# Altium PCB ROS-Robot-Controller.PcbDoc (part 1 of 2)
Units mil, origin at the board's own origin, x right, y up, seen from the top; angles counter-clockwise.
Board outline 1972.2 x 2280.91 mil, 2 copper layers (Top Layer, Bottom Layer); 104 components, 97 nets, 467 pads, 326 vias.
Unrouted connection lines stored in the file: 20.
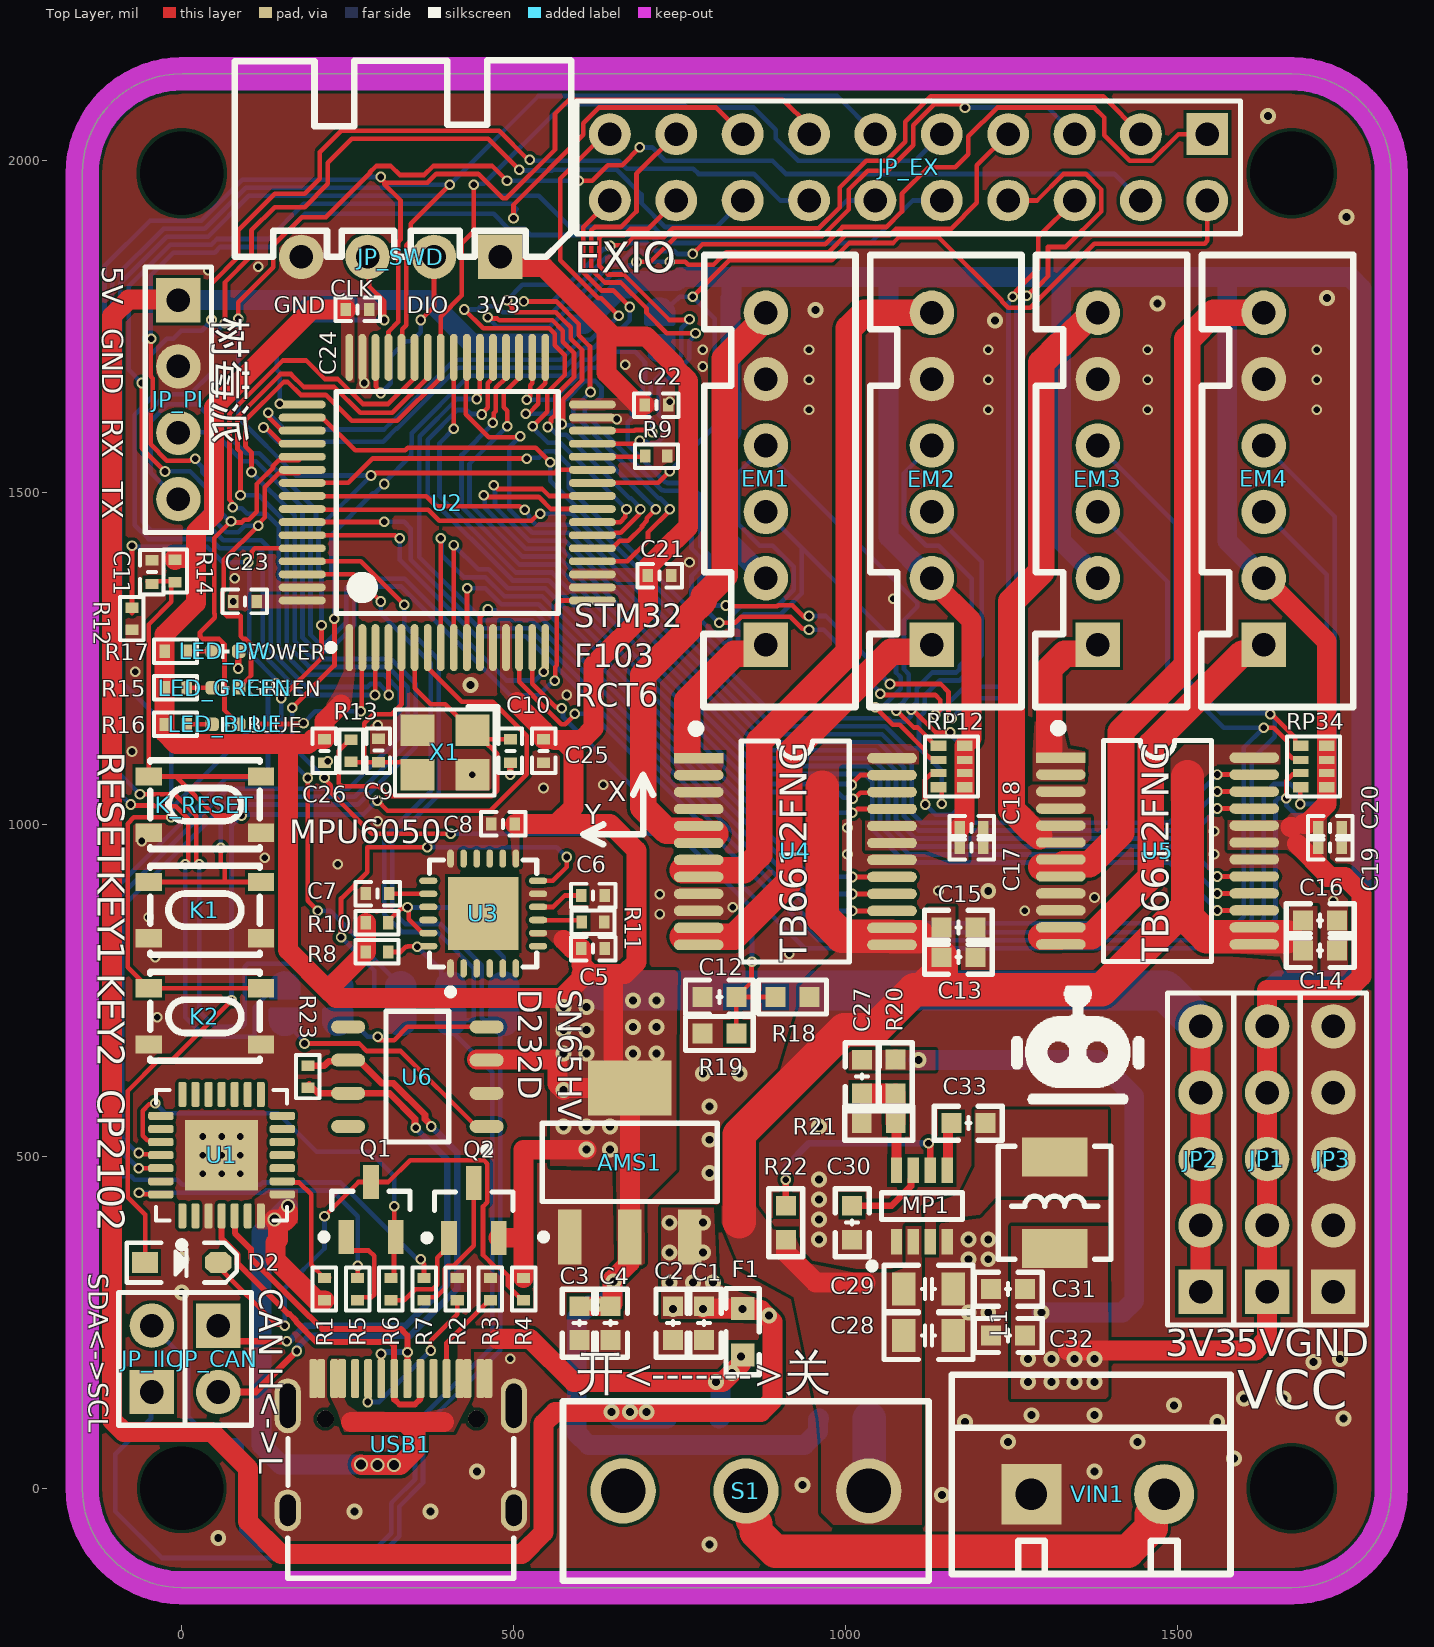
[diagram p0: Top Layer view]
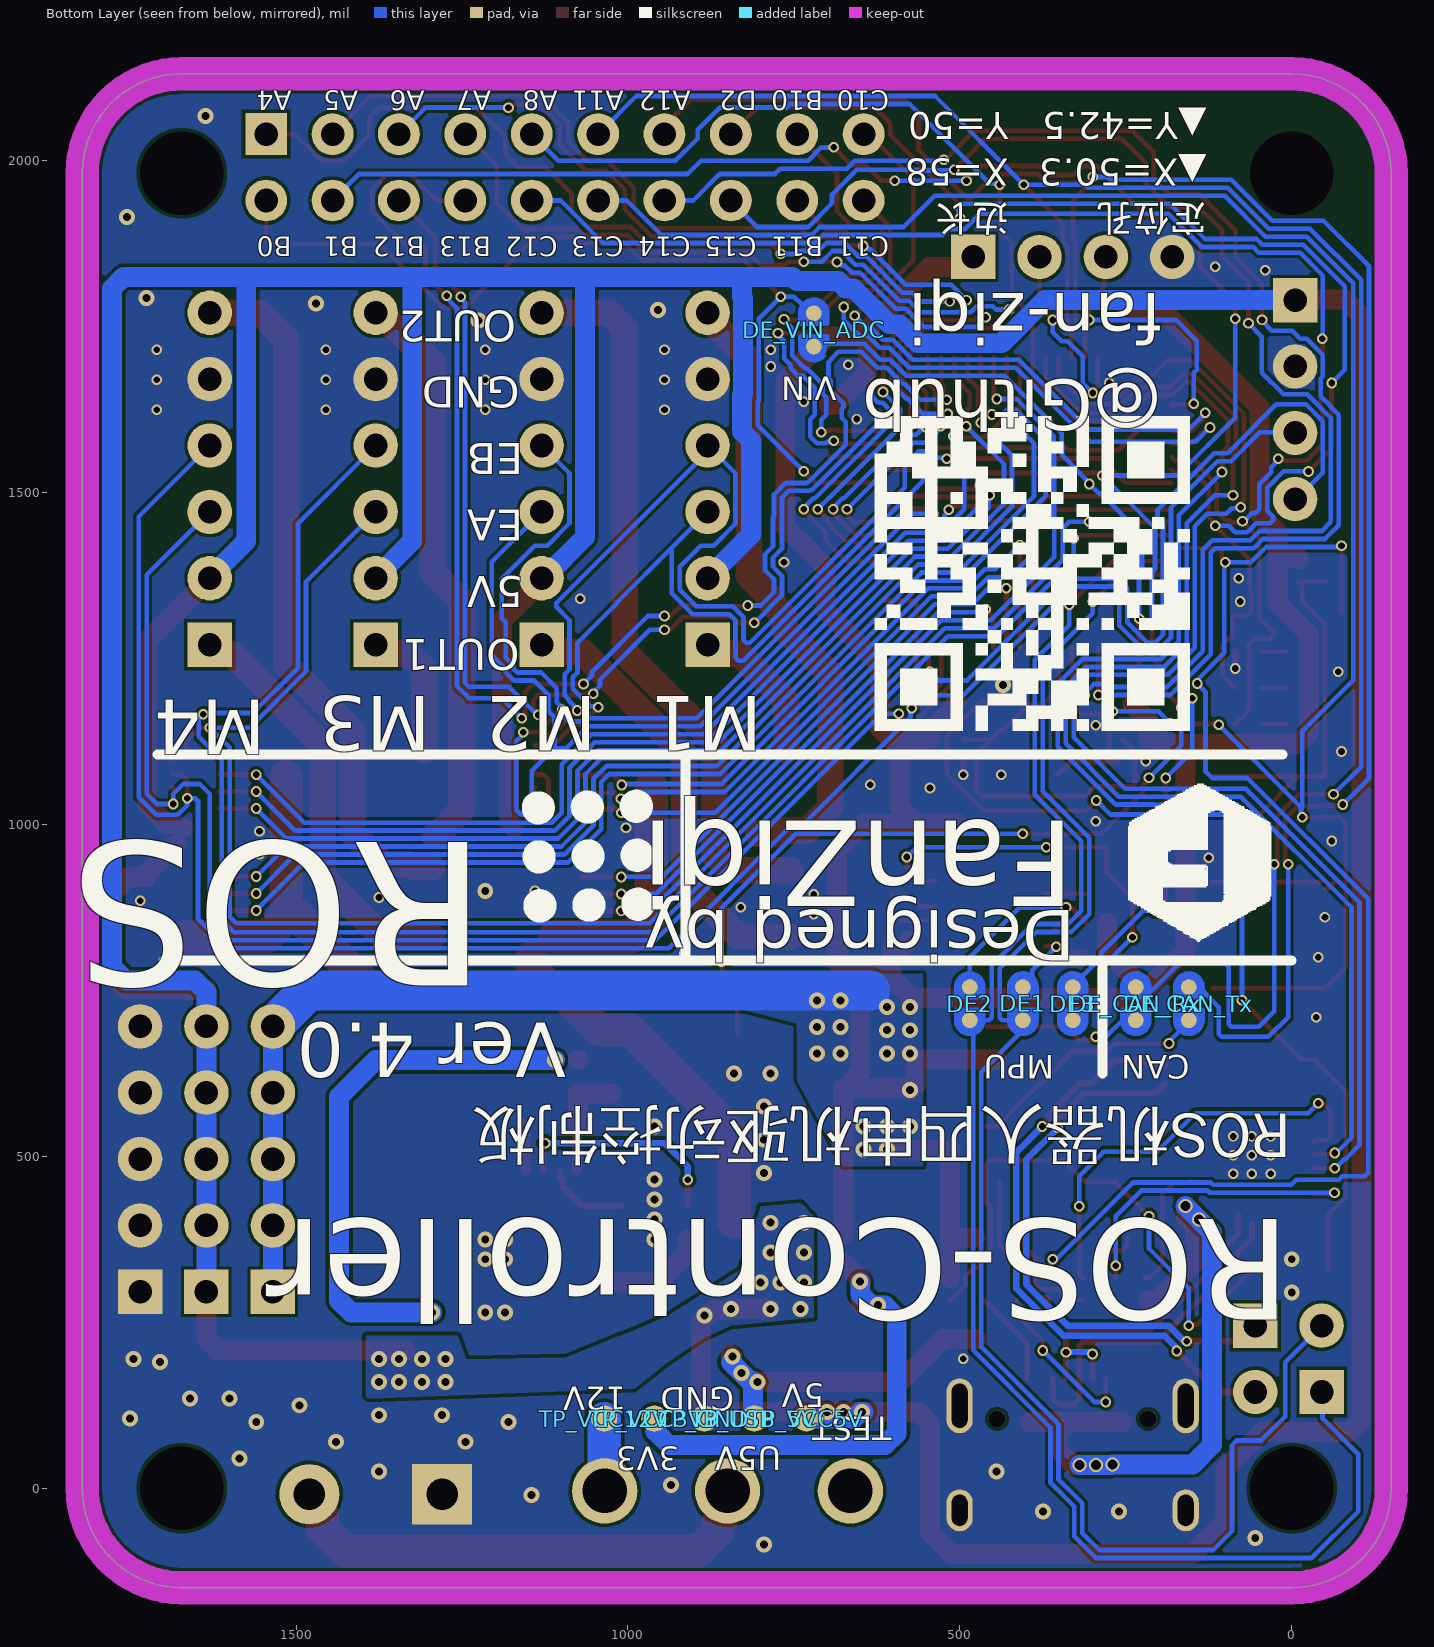
[diagram p1: Bottom Layer view, seen from below]

## Layer stack, top to bottom
Top Solder: solder mask 0.4, Solder Resist, Dk 3.5
Top Layer: signal copper 1.4
Dielectric 1: dielectric 12.6, FR-4, Dk 4.8
Bottom Layer: signal copper 1.4
Bottom Solder: solder mask 0.4, Solder Resist, Dk 3.5

## Board outline
-150,0 ccw(c0,0) 0,-150 1672.2,-150 ccw(c1672.2,0) 1822.2,0 1822.2,1980.91 ccw(c1672.2,1980.91) 1672.2,2130.91 0,2130.91 ccw(c0,1980.91) -150,1980.91

## Design rules (kind name [scope] priority, off if disabled: settings)
Clearance [All] p1: gap=5 ignorepadtopadclearanceinfootprint=FALSE except(0: Arc-Text Track-Text SMDPad-Text THPad-Text Via-Text Fill-Text Poly-Text Region-Text Text-Text Text-Hole)
ComponentClearance [All] p1: gap=0 collisioncheckmode=3 verticalgap=0 showdistances=FALSE
DiffPairsRouting [InDifferentialPair ('CP2102')] p1: maxlimit=10 minlimit=5 mostfreqgap=7 toplayer_minwidth=4 toplayer_maxwidth=9 toplayer_prefwidth=4 bottomlayer_minwidth=4 bottomlayer_maxwidth=9 bottomlayer_prefwidth=4 maxuncoupledlength=500
FanoutControl Fanout_BGA [All] p1: bgadir=Out bgaviamode=Centered fanoutstyle=Auto fanoutdirection=Alternating viagrid=1 // Fanout_BGA (Default Rule)
HoleSize [All] p1: absolutevalues=TRUE maxlimit=235 minlimit=8 maxpercent=80.000 minpercent=20.000
MatchedLengths DiffPair_MatchedLengths [InDifferentialPair ('CP2102')] p1: tolerance=1000 checknetsindiffpair=FALSE checkdiffpairvsdiffpair=TRUE checkxsignals=TRUE checkothers=TRUE
MatchedLengths DiffPair_MatchedLengths_1 [InDifferentialPair ('USB')] p2: tolerance=1000 checknetsindiffpair=FALSE checkdiffpairvsdiffpair=TRUE checkxsignals=TRUE checkothers=TRUE
MinimumSolderMaskSliver [All] p1 off: minsoldermaskwidth=2
NetsToIgnore [InNet('GND')] p1:
PlaneClearance [All] p1: clearance=8
PlaneConnect [All] p1: planeconnectstyle=Direct reliefexpansion=20 reliefentries=4 reliefconductorwidth=10 reliefairgap=10
PolygonConnect [All] p1: connectstyle=Direct reliefconductorwidth=10 reliefentries=4 polygonreliefangle="90 Angle" airgapwidth=10
RoutingVias [All] p1: holewidth=10 width=16 viastyle="Through Hole" minholewidth=6 minwidth=12 maxholewidth=28 maxwidth=50
SMDNeckDown [All] p1: percent=10000.000
SilkToSilkClearance [All] p1: silktosilkclearance=0
SilkToSolderMaskClearance [IsPad] p1: minsilkscreentomaskgap=0 clearancetoexposedcopper=TRUE
SolderMaskExpansion [All] p1: expansion=3 istentingtop=FALSE
Width [InNetClass('BuXian')] p1: maxlimit=10 minlimit=7 preferedwidth=7
Width MOTOR [InNetClass('MOTOR')] p2: maxlimit=40 minlimit=40 preferedwidth=40
Width VCC12V [InNetClass('VCC12V')] p3: maxlimit=50 minlimit=10 preferedwidth=50
Width VCC3V3 [InNetClass('VCC3V3')] p4: maxlimit=60 minlimit=30 preferedwidth=30
Width VCC5V [InNetClass('VCC5V')] p5: maxlimit=60 minlimit=30 preferedwidth=30
Width GND [InNet('GND')] p6: maxlimit=60 minlimit=10 preferedwidth=60
21 further rules are at their usual default settings.

## Classes and differential pairs
net class MOTOR: M1OUT1 M1OUT2 M2OUT1 M2OUT2 M3OUT1 M3OUT2 M4OUT1 M4OUT2
net class VCC5V: USB_5V VCC5V
net class VCC3V3: VCC3V3
net class VCC12V: NetS1_2 VCC12V
net class BuXian: BOOT0 BOOT1 CAN_H CAN_L CAN_Rx CAN_Tx CP2102_D+ CP2102_D- DTR KEY1 KEY2 LED_BLUE LED_GREEN M1EA M1EB M1IN1 M1IN2 M1PWM M2EA M2EB M2IN1 M2IN2 M2PWM M3EA M3EB M3IN1 M3IN2 M3PWM M4EA M4EB M4IN1 M4IN2 M4PWM MPU6050_INT MPU6050_SCL MPU6050_SDA NetC6_2 NetC7_1 NetD2_2 NetLED_BLUE_1 NetLED_GREEN_1 NetLED_PW_1 NetQ1_1 NetQ2_1 NetQ2_3 NetR1_1 NetR2_2 NetR3_2 NetR11_2 OSCIN OSCOUT PA4 PA5 PA6 PA7 PA11 PA12 PB0 PB1 PB10 PB11 PB12 PB13 PC10 PC11 PC14 PC15 RESET RTS SCL SDA SWCLK SWDIO USART1_RX_DEBUG USART1_TX_DEBUG USART2_RX_PI USART2_TX_PI VIN_ADC
differential pair CAN: +CAN_H -CAN_L
differential pair CP2102: +CP2102_D+ -CP2102_D-

## Components (designator, comment, footprint, x,y, rotation, side; value= is the part's Value field where it differs from the comment)
AMS1 "AMS1117-3V3" SOT223_L 675,490.91 r90 top
C1 "22uf" C0603_L 787,248.62 r90 top
C2 "0.1uf" C0603_L 740,248.62 r90 top
C3 "0.1uf" C0603_L 599,248.62 r90 top
C4 "22uf" C0603_L 646,248.62 r90 top
C5 "0.1uf" C0402_L 619.64,812.95 r180 top
C6 "0.1uf" C0402_L 619.64,892.95 r180 top
C7 "2.2nf" C0402_L 295,895.91 r180 top
C8 "0.1uf" C0402_L 484.09,1000.91 r180 top
C9 "20pf" C0402_L 296.34,1111.18 r90 top
C10 "20pf" C0402_L 495,1110.91 r270 top
C11 "0.1uf" C0402_L -45,1380 r270 top
C12 "0.1uf" C0603_L 810,740 r0 top
C13 "0.1uf" C0603_L 1170,800 r180 top
C14 "0.1uf" C0603_L 1715,810 r180 top
C15 "10uf" C0603_L 1170,845 r180 top
C16 "10uf" C0603_L 1715,855 r180 top
C17 "0.1uf" C0402_L 1190,965 r0 top
C18 "10uf" C0402_L 1190,995 r180 top
C19 "0.1uf" C0402_L 1730,965 r0 top
C20 "10uf" C0402_L 1730,995 r180 top
C21 "0.1uf" C0402_L 720,1375 r180 top
C22 "0.1uf" C0402_L 715,1631.81 r180 top
C23 "0.1uf" C0402_L 95,1335.91 r0 top
C24 "0.1uf" C0402_L 265,1775.91 r180 top
C25 "0.1uf" C0402_L 545,1110.91 r90 top
C26 "0.1uf" C0402_L 215,1110.91 r90 top
C27 "33pf" C0603_L 1025,620 r90 top
C28 "22uf" C0805_L 1125,230 r180 top
C29 "0.1uf" C0805_L 1125,300 r180 top
C30 "0.1uf" C0603_L 1010,400 r90 top
C31 "22uf" C0603_L 1245,300 r0 top
C32 "22uf" C0603_L 1245,230 r0 top
C33 "0.1uf" C0603_L 1185,550 r180 top
D2 "1N4148" SOD-323 -0.12,340 r0 top
DE1 "DEBUG PAD" DEBUG_B#1 405,730 r270 bottom
DE2 "DEBUG PAD" DEBUG_B#2 485,730 r270 bottom
DE3 "DEBUG PAD" DEBUG_B#3 330,730 r90 bottom
DE_CAN_Rx "DEBUG PAD" DEBUG_B#4 235,730 r90 bottom
DE_CAN_Tx "DEBUG PAD" DEBUG_B#5 155,730 r90 bottom
DE_VIN_ADC "DEBUG PAD" DEBUG_B#6 720,1745 r90 bottom
EM1 "HDR-1X6" XH2.54-LI-6P 880,1520.91 r90 top
EM2 "HDR-1X6" XH2.54-LI-6P 1130,1520.91 r90 top
EM3 "HDR-1X6" XH2.54-LI-6P 1380,1520.91 r90 top
EM4 "HDR-1X6" XH2.54-LI-6P 1630,1520.91 r90 top
F1 "MSMD200-8V 2A" "FU 0603" 845,235.91 r90 top
JP1 "HDR-1X5" HDR2.54-LI-5P 1635,495.91 r90 top
JP2 "HDR-1X5" HDR2.54-LI-5P 1535,495.91 r90 top
JP3 "HDR-1X5" HDR2.54-LI-5P 1735,495.91 r90 top
JP_CAN "HDR-1X2" HDR2.54-LI-2P 55,195 r270 top
JP_EX "Header 2X10" HDR2.54-LI-2x10P 1095,1990 r180 top
JP_IIC "HDR-1X2" HDR2.54-LI-2P -45,195 r90 top
JP_PI "HDR-1X4" HDR2.54-LI-4P -5,1640 r270 top
JP_SWD "HDR-1X4" XH2.54-WI-4P 330,1855 r180 top
K1 "TACT 4P" SW-SMD_4P-L4.2-W3.3-P2.15-LS5.1 35,870.91 r0 top value=3.4x3.5
K2 "TACT 4P" SW-SMD_4P-L4.2-W3.3-P2.15-LS5.1 35,710.91 r0 top value=3.4x3.5
K_RESET "TACT 4P" SW-SMD_4P-L4.2-W3.3-P2.15-LS5.1 35,1030 r0 top value=3.4x3.5
L1 "4.7uH" L-SMD-0420 1315,430 r90 top
LED_BLUE "红色" LED_0402_RED 65.83,1150.91 r0 top
LED_GREEN "红色" LED_0402_RED 65.83,1205.91 r0 top
LED_PW "红色" LED_0402_RED 65.83,1260.91 r0 top
MP1 "MP2315GJ" SOT23-8N 1115,425 r90 top
Q1 "SS8050" SOT23-3N 285,420 r90 top
Q2 "SS8550" SOT23-3N 440,418.66 r90 top
R1 "4.7K" R0402_L 215,300 r270 top
R2 "5.1K" R0402_L 415,300 r270 top
R3 "5.1K" R0402_L 465,300 r270 top
R4 "10K" R0402_L 515,300 r270 top
R5 "1K" R0402_L 265,300 r270 top
R6 "1K" R0402_L 315,300 r270 top
R7 "1K" R0402_L 365,300 r90 top
R8 "4.7K" R0402_L 294.02,807.95 r180 top
R9 "10K" R0402_L 715,1555 r0 top
R10 "4.7K" R0402_L 294.02,851.93 r180 top
R11 "10K" R0402_L 619.64,852.95 r180 top
R12 "10K" R0402_L -75,1310 r270 top
R13 "1M" R0402_L 255,1110.91 r270 top
R14 "10K" R0402_L -10,1381.73 r90 top
R15 "1K" R0402_L -9.17,1205.91 r180 top
R16 "1K" R0402_L -9.17,1150.91 r180 top
R17 "1K" R0402_L -9.17,1260.91 r180 top
R18 "10K" R0603_L 920,740 r0 top
R19 "1K" R0603_L 810,685 r0 top
R20 "40.2K" R0603_L 1075,620 r270 top
R21 "5.49K" R0603_L 1050,550 r180 top
R22 "100K" R0603_L 910,400 r270 top
R23 "120R" R0402_L 190,620 r90 top
RP12 "4.7K" RCA-8P4R-0402 1159.69,1087.4 r270 top
RP34 "4.7K" RCA-8P4R-0402 1705.31,1087.4 r270 top
S1 "SS-12F23" SS-12D10 849.96,-4.09 r0 top
TP_GND "TEST" "TEST 1" 885,105 r270 bottom
TP_USB_5V "TEST" "TEST 1" 809.63,105 r270 bottom
TP_VCC3V3 "TEST" "TEST 1" 960.37,105 r270 bottom
TP_VCC5V "TEST" "TEST 1" 731.11,105 r270 bottom
TP_VCC12V "TEST" "TEST 1" 1035.74,105 r270 bottom
U1 "CP2102" QFN-28 60,501.81 r90 top value=Value
U2 "STM32F103RCT6" LQFP64_N 400,1485 r90 top
U3 "MPU6050" QFN-24 454.1,865.9 r90 top
U4 "TB6612FNG" SSOP24_M 924.33,959.29 r0 top
U5 "TB6612FNG" SSOP24_M 1470,960 r0 top
U6 "SN65HVD232D" SO-8 355,620 r180 top
USB1 "Type-C" Type-C-TOP 330,65.91 r270 top
VIN1 "HDR-1X2" KF301-5.0-2P 1480,-9.09 r0 top
X1 "8M" "OSC 3225-4P" 396.34,1108.46 r180 top

## Footprints (in the part's own frame and the unit in brackets; to place one, negate y for a bottom-side part, rotate by r counter-clockwise, add the part's x,y. Pads: shape width x height; smd on the part's side, far side on the other; paste and mask are expansions set on the pad)
C0402_L [mm] "无极性贴片电容"
  rect 0.4x0.5 smd: 1(-0.45,0) 2(0.45,0)
  silkscreen extent -0.85,-0.45 0.85,0.45, body extent -0.5,-0.26 0.5,0.26, height 0.54
C0603_L [mil] "无极性贴片电容"
  rect 30x30 smd: 1(-25.59,0) 2(25.59,0)
  silkscreen extent -51,-26 51,26, body extent -31,-16 32,16, height 33
C0805_L [mil] "无极性贴片电容"
  rect 35x50 smd: 1(-37.4,0) 2(37.4,0)
  silkscreen extent -67,-36 67,36, body extent -39,-24 39,24, height 22
DEBUG_B#1 [mm] "调试断点焊盘"
  round 0.6 smd paste-0.6: 1(-0.635,0) 2(0.635,0)
  Top Layer region: 0.254,-0.508 0.762,-0.508 0.908,-0.479 1.031,-0.396 1.114,-0.273 1.143,-0.127 1.143,-0.127 1.143,0 1.104,0.194 0.994,0.359 0.829,0.469 0.635,0.508 0.635,0.508 0.254,0.508
  Top Layer region: -0.254,0.508 -0.762,0.508 -0.908,0.479 -1.031,0.396 -1.114,0.273 -1.143,0.127 -1.143,0.127 -1.143,0 -1.104,-0.194 -0.994,-0.359 -0.829,-0.469 -0.635,-0.508 -0.635,-0.508 -0.254,-0.508
  Top Layer lines w0.203: 0.635,0.508 cw(c0.635,0) 0.994,-0.359 cw(c0.635,0) 0.635,-0.508 0.254,-0.508 0.254,0 0.254,0.508 0.635,0.508 ; -0.254,0.508 -0.635,0.508 ccw(c-0.635,0) -0.994,0.359 ccw(c-0.635,0) -0.635,-0.508 -0.254,-0.508 -0.254,0.508
DEBUG_B#2 [mm] "调试断点焊盘"
  round 0.6 smd paste-0.6: 1(-0.635,0) 2(0.635,0)
  Top Layer region: 0.254,-0.508 0.762,-0.508 0.908,-0.479 1.031,-0.396 1.114,-0.273 1.143,-0.127 1.143,-0.127 1.143,0 1.104,0.194 0.994,0.359 0.829,0.469 0.635,0.508 0.635,0.508 0.254,0.508
  Top Layer region: -0.254,0.508 -0.762,0.508 -0.908,0.479 -1.031,0.396 -1.114,0.273 -1.143,0.127 -1.143,0.127 -1.143,0 -1.104,-0.194 -0.994,-0.359 -0.829,-0.469 -0.635,-0.508 -0.635,-0.508 -0.254,-0.508
  Top Layer lines w0.203: 0.635,0.508 cw(c0.635,0) 1.131,-0.108 cw(c0.635,0) 0.635,-0.508 0.254,-0.508 0.254,0 0.254,0.508 0.635,0.508 ; -0.254,0.508 -0.635,0.508 ccw(c-0.635,0) -0.635,-0.508 -0.254,-0.508 -0.254,0.508
DEBUG_B#3 [mm] "调试断点焊盘"
  round 0.6 smd paste-0.6: 1(-0.635,0) 2(0.635,0)
  Top Layer region: 0.254,-0.508 0.762,-0.508 0.908,-0.479 1.031,-0.396 1.114,-0.273 1.143,-0.127 1.143,-0.127 1.143,0 1.104,0.194 0.994,0.359 0.829,0.469 0.635,0.508 0.635,0.508 0.254,0.508
  Top Layer region: -0.254,0.508 -0.762,0.508 -0.908,0.479 -1.031,0.396 -1.114,0.273 -1.143,0.127 -1.143,0.127 -1.143,0 -1.104,-0.194 -0.994,-0.359 -0.829,-0.469 -0.635,-0.508 -0.635,-0.508 -0.254,-0.508
  Top Layer lines w0.203: -0.635,-0.508 cw(c-0.635,0) -0.635,0.508 -0.254,0.508 -0.254,0 -0.254,-0.449 -0.254,-0.508 -0.635,-0.508 ; 0.254,-0.508 0.635,-0.508 ccw(c0.635,0) 1.018,-0.333 ccw(c0.635,0) 0.635,0.508 0.254,0.508 0.254,0 0.254,-0.508
DEBUG_B#4 [mm] "调试断点焊盘"
  round 0.6 smd paste-0.6: 1(-0.635,0) 2(0.635,0)
  Top Layer region: 0.254,-0.508 0.762,-0.508 0.908,-0.479 1.031,-0.396 1.114,-0.273 1.143,-0.127 1.143,-0.127 1.143,0 1.104,0.194 0.994,0.359 0.829,0.469 0.635,0.508 0.635,0.508 0.254,0.508
  Top Layer region: -0.254,0.508 -0.762,0.508 -0.908,0.479 -1.031,0.396 -1.114,0.273 -1.143,0.127 -1.143,0.127 -1.143,0 -1.104,-0.194 -0.994,-0.359 -0.829,-0.469 -0.635,-0.508 -0.635,-0.508 -0.254,-0.508
  Top Layer lines w0.203: -0.635,-0.508 cw(c-0.635,0) -0.994,0.359 cw(c-0.635,0) -0.635,0.508 -0.254,0.508 -0.254,-0.508 -0.635,-0.508 ; 0.254,-0.508 0.254,0 0.254,0.508 0.618,0.508 0.635,0.508 cw(c0.635,0) 0.994,-0.359 cw(c0.635,0) 0.635,-0.508 0.508,-0.508 0.254,-0.508
DEBUG_B#5 [mm] "调试断点焊盘"
  round 0.6 smd paste-0.6: 1(-0.635,0) 2(0.635,0)
  Top Layer region: 0.254,-0.508 0.762,-0.508 0.908,-0.479 1.031,-0.396 1.114,-0.273 1.143,-0.127 1.143,-0.127 1.143,0 1.104,0.194 0.994,0.359 0.829,0.469 0.635,0.508 0.635,0.508 0.254,0.508
  Top Layer region: -0.254,0.508 -0.762,0.508 -0.908,0.479 -1.031,0.396 -1.114,0.273 -1.143,0.127 -1.143,0.127 -1.143,0 -1.104,-0.194 -0.994,-0.359 -0.829,-0.469 -0.635,-0.508 -0.635,-0.508 -0.254,-0.508
  Top Layer lines w0.203: -0.635,-0.508 cw(c-0.635,0) -1.025,0.325 cw(c-0.635,0) -0.635,0.508 -0.254,0.508 -0.254,0 -0.254,-0.508 -0.635,-0.508 ; 0.254,-0.508 0.254,0 0.254,0.508 0.635,0.508 cw(c0.635,0) 0.994,0.359 cw(c0.635,0) 0.964,-0.387 cw(c0.635,0) 0.635,-0.508 0.508,-0.508 0.254,-0.508
DEBUG_B#6 [mm] "调试断点焊盘"
  round 0.6 smd paste-0.6: 1(-0.635,0) 2(0.635,0)
  Top Layer region: 0.254,-0.508 0.762,-0.508 0.908,-0.479 1.031,-0.396 1.114,-0.273 1.143,-0.127 1.143,-0.127 1.143,0 1.104,0.194 0.994,0.359 0.829,0.469 0.635,0.508 0.635,0.508 0.254,0.508
  Top Layer region: -0.254,0.508 -0.762,0.508 -0.908,0.479 -1.031,0.396 -1.114,0.273 -1.143,0.127 -1.143,0.127 -1.143,0 -1.104,-0.194 -0.994,-0.359 -0.829,-0.469 -0.635,-0.508 -0.635,-0.508 -0.254,-0.508
  Top Layer lines w0.203: -0.381,-0.508 -0.254,-0.508 -0.254,0 -0.254,0.508 -0.635,0.508 ccw(c-0.635,0) -0.994,-0.359 -0.681,-0.23 ; 0.254,-0.508 0.254,0 0.254,0.508 0.635,0.508 cw(c0.635,0) 0.994,0.359 cw(c0.635,0) 0.635,-0.508 0.254,-0.508
"FU 0603" [mil] "贴片保险丝"
  rect 35x35 smd: 1(-35,0) 2(35,0)
  silkscreen extent -65,-25 65,25, body extent -31,-16 32,16, height 20
HDR2.54-LI-2P [mm] "排针，2脚 封装库来自淘宝卖家 ID：黄晶宝石"
  rect 1.7x1.7 hole 0.9: 1(-1.27,0)
  round 1.7 hole 0.9: 2(1.27,0)
  silkscreen extent -2.54,-1.27 2.54,1.27, body extent -2.54,-1.27 2.54,1.27, height 2.54
HDR2.54-LI-2x10P [mm] "双排排针，10x2脚"
  rect 1.6x1.6 hole 0.9: 1(-11.43,-1.27)
  round 1.6 hole 0.9: 2(-11.43,1.27) 3(-8.89,-1.27) 4(-8.89,1.27) 5(-6.35,-1.27) 6(-6.35,1.27) 7(-3.81,-1.27) 8(-3.81,1.27) 9(-1.27,-1.27) 10(-1.27,1.27) 11(1.27,-1.27) 12(1.27,1.27) 13(3.81,-1.27) 14(3.81,1.27) 15(6.35,-1.27) 16(6.35,1.27) 17(8.89,-1.27) 18(8.89,1.27) 19(11.43,-1.27) 20(11.43,1.27)
  silkscreen extent -12.7,-2.54 12.7,2.54, body extent -12.7,-2.54 12.7,2.54, height 8.5
HDR2.54-LI-4P [mm] "排针，4脚"
  rect 1.7x1.7 hole 0.9: 1(-3.81,0)
  round 1.7 hole 0.9: 2(-1.27,0) 3(1.27,0) 4(3.81,0)
  silkscreen extent -5.08,-1.27 5.08,1.27, body extent -5.08,-1.27 5.08,1.27, height 2.54
HDR2.54-LI-5P [mm] "排针，5脚"
  rect 1.7x1.7 hole 0.9: 1(-5.08,0)
  round 1.7 hole 0.9: 2(-2.54,0) 3(0,0) 4(2.54,0) 5(5.08,0)
  silkscreen extent -6.35,-1.27 6.35,1.27, body extent -6.35,-1.27 6.35,1.27, height 2.54
KF301-5.0-2P [mm] "可拼接端子/6A"
  rect 2.3x2.3 hole 1.2: 1(-5.08,0)
  round 2.3 hole 1.2: 2(0,0)
  silkscreen extent -8.13,-3.05 2.54,4.57, body extent -7.95,-3 2.55,4.6, height 3.29
L-SMD-0420 [mm] "一体化成型电感"
  rect 1.5x2.5 smd: 1(-1.75,0) 2(1.75,0)
  silkscreen extent -2.16,-2.16 2.16,2.16, body extent -2.25,-2.05 2.25,2.05, height 2.05
LED_0402_RED [mil]
  rrect50% 20x20 smd: 1(-20,0) 2(20,0)
  silkscreen extent -6,-11 6,10, body extent -20,-10 20,10, height 18
LQFP64_N [mm] "Thin QFP, 64-Leads, Body 10x10mm, Pitch 0.5mm, IPC Medium Density封装库来自淘宝 ID：黄晶宝石"
  oval 1.8x0.3 smd: 1(-5.55,3.75) 2(-5.55,3.25) 3(-5.55,2.75) 4(-5.55,2.25) 5(-5.55,1.75) 6(-5.55,1.25) 7(-5.55,0.75) 8(-5.55,0.25) 9(-5.55,-0.25) 10(-5.55,-0.75) 11(-5.55,-1.25) 12(-5.55,-1.75) 13(-5.55,-2.25) 14(-5.55,-2.75) 15(-5.55,-3.25) 16(-5.55,-3.75) 33(5.55,-3.75) 34(5.55,-3.25) 35(5.55,-2.75) 36(5.55,-2.25) 37(5.55,-1.75) 38(5.55,-1.25) 39(5.55,-0.75) 40(5.55,-0.25) 41(5.55,0.25) 42(5.55,0.75) 43(5.55,1.25) 44(5.55,1.75) 45(5.55,2.25) 46(5.55,2.75) 47(5.55,3.25) 48(5.55,3.75)